# Altium PCB IntelligentCarFor51PcbDoc.PcbDoc (part 3 of 14) (continued)
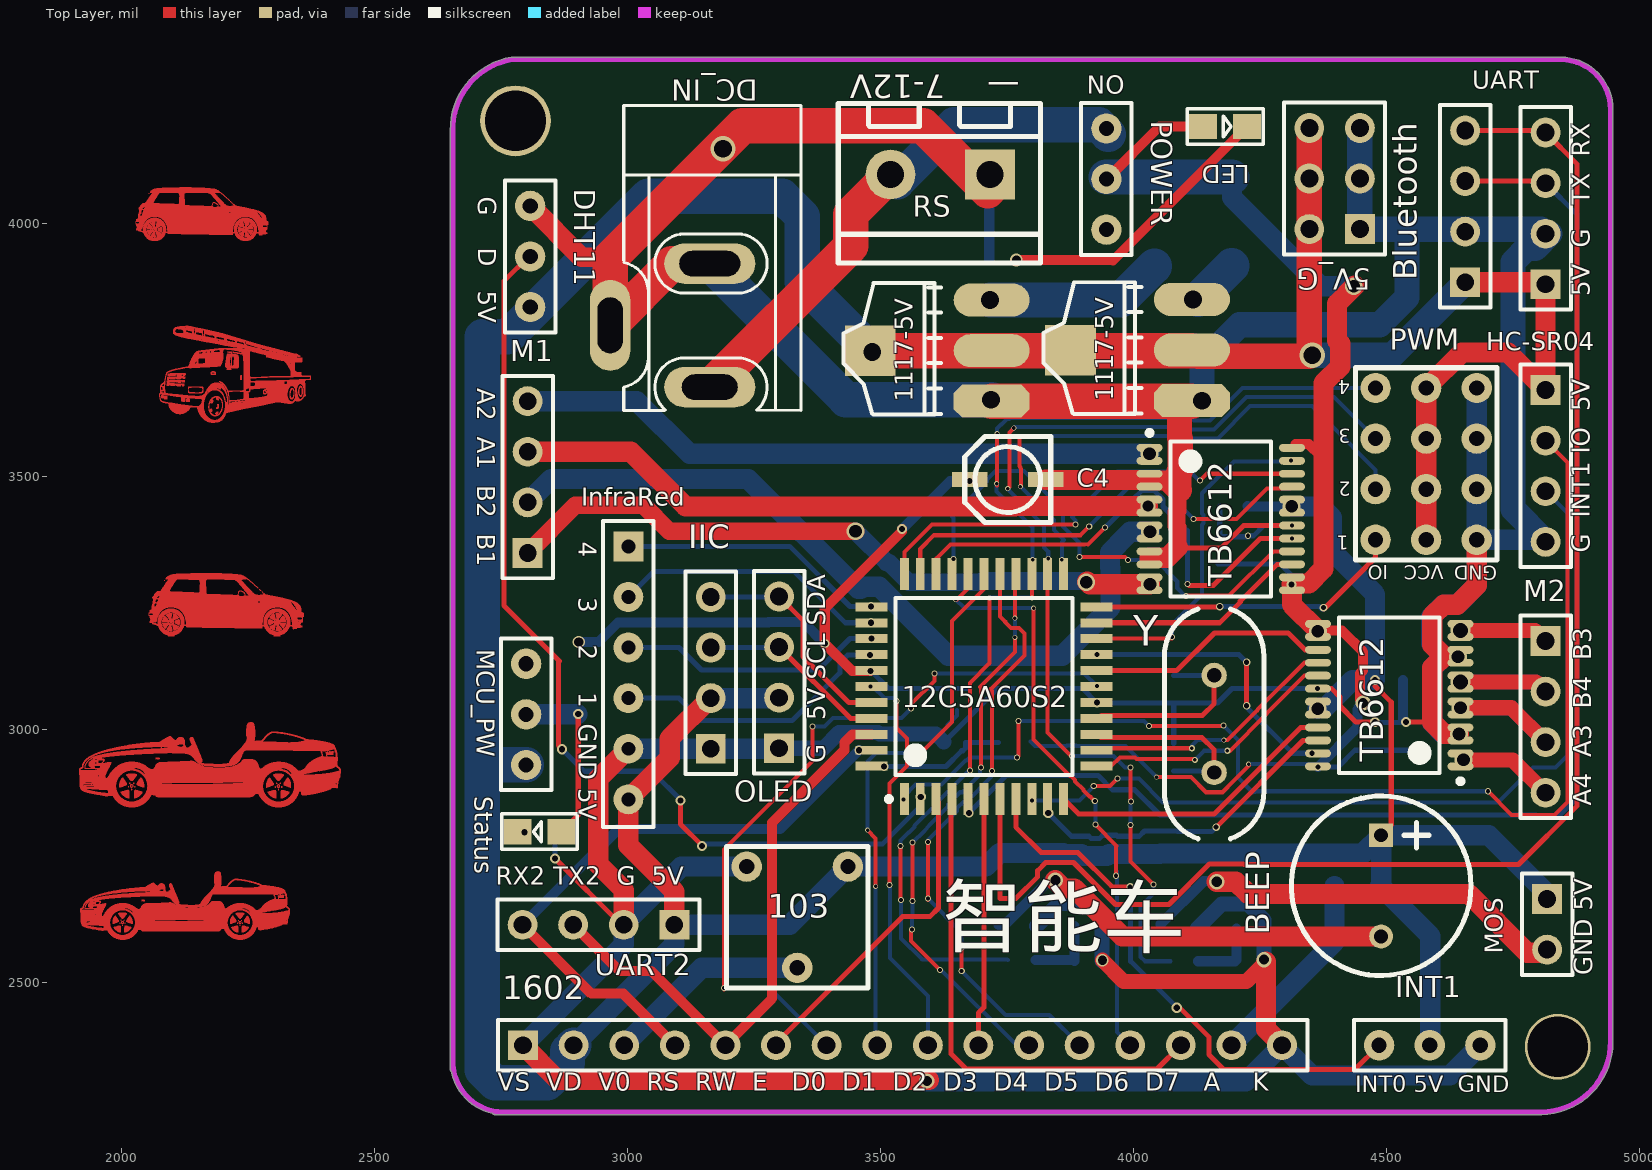
[diagram p0: Top Layer view]
## Nets (pads, with @x,y where several pads share a name; then routed paths per layer and width w, separated by ;. In a path a pad name is that pad's centre, name@x,y a point inside that pad or via, vN(x,y) a via of type N, cw(c..) or ccw(c..) an arc to the next point about the centre after c; other vN are vias at no path point) (continued)
; 2093.3,3703.6 2126.9,3703.6 ; 2093.5,3991.3 2097.1,3991.3 ; 2093.5,3991.6 2097.1,3991.6 ; 2093.5,3991.9 2220.7,3991.9 ; 2093.5,4004.5 2217.7,4004.5 ; 2093.6,3642.4 2119.1,3642.4 ; 2093.6,3642.7 2117,3642.7 ; 2093.6,3643 2115.2,3643 ; 2093.6,3643.3 2113.1,3643.3 ; 2093.6,3643.6 2111.3,3643.6 ; 2093.6,3643.9 2109.5,3643.9 ; 2093.6,3644.2 2107.7,3644.2 ; 2093.6,3644.5 2105.9,3644.5 ; 2093.6,3708.4 2096.3,3708.4 ; 2093.8,4003.6 2224.6,4003.6 ; 2093.8,4003.9 2222.2,4003.9 ; 2093.8,4004.2 2225.2,4004.2 ; 2093.9,3640.3 2134.7,3640.3 ; 2093.9,3640.6 2132,3640.6 ; 2093.9,3640.9 2129.6,3640.9 ; 2093.9,3641.2 2127.2,3641.2 ; 2093.9,3641.5 2124.8,3641.5 ; 2093.9,3641.8 2123,3641.8 ; 2093.9,3642.1 2120.9,3642.1 ; 2094.1,4003 2224.3,4003 ; 2094.1,4003.3 2217.1,4003.3 ; 2094.2,3639.4 2144.6,3639.4 ; 2094.2,3639.7 2140.4,3639.7 ; 2094.2,3640 2137.4,3640 ; 2094.2,3661.3 2121.2,3661.3 ; 2094.2,3708.7 2097.2,3708.7 ; 2094.4,4002.1 2221.3,4002.1 ; 2094.4,4002.4 2221.3,4002.4 ; 2094.4,4002.7 2221.6,4002.7 ; 2094.5,3638.5 2162.6,3638.5 ; 2094.5,3638.8 2162.6,3638.8 ; 2094.5,3639.1 2162.6,3639.1 ; 2094.7,4001.5 2221,4001.5 ; 2094.7,4001.8 2223.7,4001.8 ; 2094.8,3637.9 2137.1,3637.9 ; 2094.8,3638.2 2162.6,3638.2 ; 2094.8,3709 2098.1,3709 ; 2095,4000.6 2223.4,4000.6 ; 2095,4000.9 2223.4,4000.9 ; 2095,4001.2 2223.4,4001.2 ; 2095.1,3637 2136.2,3637 ; 2095.1,3637.3 2136.2,3637.3 ; 2095.1,3637.6 2136.5,3637.6 ; 2095.3,3999.7 2222.8,3999.7 ; 2095.3,4000 2220.4,4000 ; 2095.3,4000.3 2220.4,4000.3 ; 2095.4,3636.4 2135.6,3636.4 ; 2095.4,3636.7 2135.9,3636.7 ; 2095.4,3697 2119.7,3697 ; 2095.4,3709.3 2099,3709.3 ; 2095.6,3998.8 2222.5,3998.8 ; 2095.6,3999.1 2222.8,3999.1 ; 2095.6,3999.4 2222.8,3999.4 ; 2095.6,4061.5 2122.9,4061.5 ; 2095.7,3636.1 2135.6,3636.1 ; 2095.9,3980.8 2220.1,3980.8 ; 2095.9,3997.9 2222.2,3997.9 ; 2095.9,3998.2 2222.5,3998.2 ; 2095.9,3998.5 2222.5,3998.5 ; 2096,3635.5 2135.3,3635.5 ; 2096,3635.8 2135.3,3635.8 ; 2096.2,3997 2221.9,3997 ; 2096.2,3997.3 2222.2,3997.3 ; 2096.2,3997.6 2222.2,3997.6 ; 2096.3,3635.2 2135,3635.2 ; 2096.3,3709.6 2099.9,3709.6 ; 2096.5,3995.5 2221.6,3995.5 ; 2096.5,3995.8 2221.6,3995.8 ; 2096.5,3996.1 2221.6,3996.1 ; 2096.5,3996.4 2221.9,3996.4 ; 2096.5,3996.7 2221.9,3996.7 ; 2096.5,4036.6 2096.8,4036.6 ; 2096.6,3634.6 2134.7,3634.6 ; 2096.6,3634.9 2134.7,3634.9 ; 2096.6,3661 2124.5,3661 ; 2096.6,3689.5 2106.8,3689.5 ; 2096.6,3694.3 2106.5,3694.3 ; 2096.6,3694.6 2106.8,3694.6 ; 2096.6,3694.9 2106.8,3694.9 ; 2096.6,3695.2 2106.8,3695.2 ; 2096.6,3695.5 2107.1,3695.5 ; 2096.6,3695.8 2107.1,3695.8 ; 2096.6,3703.9 2126.3,3703.9 ; 2096.8,3994 2221.3,3994 ; 2096.8,3994.3 2221.3,3994.3 ; 2096.8,3994.6 2221.3,3994.6 ; 2096.8,3994.9 2221.3,3994.9 ; 2096.8,3995.2 2221.6,3995.2 ; 2096.8,4037.5 2124.1,4037.5 ; 2096.9,3634.3 2134.4,3634.3 ; 2096.9,3681.1 2105.6,3681.1 ; 2096.9,3681.4 2105.6,3681.4 ; 2096.9,3681.7 2105.9,3681.7 ; 2096.9,3682 2105.9,3682 ; 2096.9,3682.3 2105.9,3682.3 ; 2096.9,3682.9 2124.2,3682.9 ; 2096.9,3687.7 2106.2,3687.7 ; 2096.9,3688 2106.5,3688 ; 2096.9,3688.3 2106.5,3688.3 ; 2096.9,3688.6 2106.5,3688.6 ; 2096.9,3688.9 2106.5,3688.9 ; 2096.9,3689.2 2106.8,3689.2 ; 2096.9,3693.7 2106.2,3693.7 ; 2096.9,3694 2106.5,3694 ; 2096.9,3700.3 2105.3,3700.3 ; 2096.9,3700.6 2106.5,3700.6 ; 2096.9,3700.9 2107.1,3700.9 ; 2096.9,3701.2 2107.1,3701.2 ; 2097.1,3992.5 2221,3992.5 ; 2097.1,3992.8 2221,3992.8 ; 2097.1,3993.1 2221,3993.1 ; 2097.1,3993.4 2221,3993.4 ; 2097.1,3993.7 2221,3993.7 ; 2097.2,3633.7 2133.8,3633.7 ; 2097.2,3634 2134.1,3634 ; 2097.2,3680.5 2105.3,3680.5 ; 2097.2,3680.8 2105.3,3680.8 ; 2097.2,3682.6 2106.2,3682.6 ; 2097.2,3687.4 2106.2,3687.4 ; 2097.2,3693.4 2105.6,3693.4 ; 2097.2,3701.5 2107.4,3701.5 ; 2097.2,3701.8 2107.4,3701.8 ; 2097.2,3702.1 2107.4,3702.1 ; 2097.2,3702.4 2107.4,3702.4 ; 2097.2,3702.7 2107.4,3702.7 ; 2097.2,3709.9 2100.8,3709.9 ; 2097.4,3991.3 2220.7,3991.3 ; 2097.4,3991.6 2220.7,3991.6 ; 2097.4,3992.2 2221,3992.2 ; 2097.4,4036.6 2115.4,4036.6 ; 2097.5,3633.4 2133.8,3633.4 ; 2097.5,3700 2102,3700 ; 2097.8,3633.1 2133.5,3633.1 ; 2097.8,3680.2 2104.7,3680.2 ; 2097.8,3693.1 2105,3693.1 ; 2098.1,3632.8 2133.2,3632.8 ; 2098.1,3687.1 2105.3,3687.1 ; 2098.1,3690.7 2124.5,3690.7 ; 2098.1,3710.2 2102,3710.2 ; 2098.4,3632.5 2132.9,3632.5 ; 2098.4,3697.3 2126.3,3697.3 ; 2098.7,3632.2 2132.6,3632.2 ; 2098.7,3660.7 2127.5,3660.7 ; 2099,3631.9 2132.3,3631.9 ; 2099,3710.5 2102.9,3710.5 ; 2099.2,4071.1 2152,4071.1 ; 2099.3,3631.6 2132,3631.6 ; 2099.6,3631.3 2131.7,3631.3 ; 2099.9,3631 2131.4,3631 ; 2099.9,3710.8 2104.1,3710.8 ; 2100.2,3630.7 2130.8,3630.7 ; 2100.5,3630.4 2130.5,3630.4 ; 2100.5,3660.4 2131.1,3660.4 ; 2100.8,3630.1 2130.2,3630.1 ; 2100.8,3711.1 2105.3,3711.1 ; 2101.4,3629.8 2129.9,3629.8 ; 2101.7,3629.5 2129.6,3629.5 ; 2102,3629.2 2129,3629.2 ; 2102,3711.4 2106.5,3711.4 ; 2102.3,3628.9 2128.7,3628.9 ; 2102.3,3660.1 2135,3660.1 ; 2102.3,3784.6 2107.4,3784.6 ; 2102.3,3784.9 2107.1,3784.9 ; 2102.3,3785.2 2106.8,3785.2 ; 2102.3,3785.5 2106.5,3785.5 ; 2102.3,3785.8 2106.2,3785.8 ; 2102.3,3786.1 2106.2,3786.1 ; 2102.3,3786.4 2105.9,3786.4 ; 2102.3,3786.7 2105.9,3786.7 ; 2102.3,3787 2105.9,3787 ; 2102.3,3787.3 2105.9,3787.3 ; 2102.3,3787.6 2105.9,3787.6 ; 2102.3,3787.9 2105.9,3787.9 ; 2102.6,3784 2108.3,3784 ; 2102.6,3784.3 2108,3784.3 ; 2102.6,3788.2 2105.9,3788.2 ; 2102.6,3788.5 2104.1,3788.5 ; 2102.6,3788.8 2104.1,3788.8 ; 2102.6,3789.1 2104.1,3789.1 ; 2102.9,3628.6 2128.1,3628.6 ; 2102.9,3783.4 2110.1,3783.4 ; 2102.9,3783.7 2109.2,3783.7 ; 2102.9,3789.4 2104.1,3789.4 ; 2102.9,3789.7 2104.4,3789.7 ; 2102.9,3790 2104.4,3790 ; 2103.2,3628.3 2127.8,3628.3 ; 2103.2,3711.7 2108,3711.7 ; 2103.2,3790.3 2104.7,3790.3 ; 2103.2,3790.6 2104.7,3790.6 ; 2103.2,3790.9 2105,3790.9 ; 2103.5,3697.6 2126.3,3697.6 ; 2103.5,3704.2 2124.5,3704.2 ; 2103.5,3782.8 2138.3,3782.8 ; 2103.5,3783.1 2111.9,3783.1 ; 2103.5,3791.2 2105.3,3791.2 ; 2103.5,3791.5 2105.3,3791.5 ; 2103.8,3628 2127.2,3628 ; 2103.8,3791.8 2105.6,3791.8 ; 2104,4039 2104.3,4039 ; 2104.1,3782.5 2143.4,3782.5 ; 2104.1,3792.1 2105.9,3792.1 ; 2104.4,3627.7 2126.9,3627.7 ; 2104.4,3659.8 2138.9,3659.8 ; 2104.4,3712 2109.2,3712 ; 2104.4,3782.2 2143.7,3782.2 ; 2104.4,3792.4 2106.2,3792.4 ; 2104.7,3627.4 2126.3,3627.4 ; 2104.7,3781.9 2143.7,3781.9 ; 2104.7,3788.5 2105.9,3788.5 ; 2104.7,3788.8 2105.9,3788.8 ; 2104.7,3792.7 2106.5,3792.7 ; 2104.7,3793 2106.8,3793 ; 2105,3789.1 2105.9,3789.1 ; 2105,3789.4 2106.2,3789.4 ; 2105,3793.3 2107.1,3793.3 ; 2105.2,4036.3 2124.7,4036.3 ; 2105.3,3627.1 2125.7,3627.1 ; 2105.3,3781.6 2147.3,3781.6 ; 2105.3,3789.7 2106.2,3789.7 ; 2105.3,3790 2106.5,3790 ; 2105.3,3790.3 2106.8,3790.3 ; 2105.3,3793.6 2124.5,3793.6 ; 2105.5,3980.5 2220.1,3980.5 ; 2105.6,3712.3 2110.7,3712.3 ; 2105.6,3790.6 2106.8,3790.6 ; 2105.6,3793.9 2124.8,3793.9 ; 2105.9,3626.8 2125.1,3626.8 ; 2105.9,3781.3 2130.2,3781.3 ; 2105.9,3790.9 2107.1,3790.9 ; 2105.9,3794.2 2124.8,3794.2 ; 2106.2,3659.5 2144.6,3659.5 ; 2106.2,3781 2129.6,3781 ; 2106.2,3791.2 2107.4,3791.2 ; 2106.2,3794.5 2125.1,3794.5 ; 2106.4,4037.2 2125.6,4037.2 ; 2106.5,3626.5 2124.5,3626.5 ; 2106.5,3791.5 2107.7,3791.5 ; 2106.5,3791.8 2108,3791.8 ; 2106.8,3712.6 2111.9,3712.6 ; 2106.8,3780.7 2129.6,3780.7 ; 2106.8,3792.1 2108.3,3792.1 ; 2106.8,3794.8 2125.1,3794.8 ; 2107.1,3682.6 2118.8,3682.6 ; 2107.1,3689.5 2118.8,3689.5 ; 2107.1,3792.4 2108.6,3792.4 ; 2107.4,3626.2 2123.9,3626.2 ; 2107.4,3682 2118.2,3682 ; 2107.4,3682.3 2118.5,3682.3 ; 2107.4,3689.2 2118.5,3689.2 ; 2107.4,3780.4 2130.5,3780.4 ; 2107.4,3792.7 2124.2,3792.7 ; 2107.4,3793 2124.5,3793 ; 2107.7,3680.8 2117.6,3680.8 ; 2107.7,3681.1 2117.6,3681.1 ; 2107.7,3681.4 2117.9,3681.4 ; 2107.7,3681.7 2117.9,3681.7 ; 2107.7,3688.6 2118.2,3688.6 ; 2107.7,3688.9 2118.5,3688.9 ; 2107.7,3793.3 2124.5,3793.3 ; 2107.7,3795.1 2125.4,3795.1 ; 2108,3625.9 2123.3,3625.9 ; 2108,3680.5 2117.3,3680.5 ; 2108,3687.7 2118.2,3687.7 ; 2108,3688 2118.2,3688 ; 2108,3688.3 2118.2,3688.3 ; 2108.3,3659.2 2166.5,3659.2 ; 2108.3,3687.4 2117.9,3687.4 ; 2108.3,3696.1 2118.8,3696.1 ; 2108.3,3696.4 2118.8,3696.4 ; 2108.3,3712.9 2113.4,3712.9 ; 2108.3,3780.1 2131.4,3780.1 ; 2108.5,4063.3 2187.1,4063.3 ; 2108.6,3680.2 2117.3,3680.2 ; 2108.6,3687.1 2117.9,3687.1 ; 2108.6,3694.9 2117.9,3694.9 ; 2108.6,3695.2 2118.2,3695.2 ; 2108.6,3695.5 2118.2,3695.5 ; 2108.6,3695.8 2118.5,3695.8 ; 2108.6,3703.3 2126.9,3703.3 ; 2108.9,3625.6 2122.4,3625.6 ; 2108.9,3694.3 2117.6,3694.3 ; 2108.9,3694.6 2117.9,3694.6 ; 2108.9,3779.8 2132.6,3779.8 ; 2108.9,3795.4 2125.4,3795.4 ; 2109.2,3694 2117.3,3694 ; 2109.2,3701.2 2119.1,3701.2 ; 2109.2,3701.5 2119.1,3701.5 ; 2109.2,3701.8 2119.4,3701.8 ; 2109.2,3702.1 2119.4,3702.1 ; 2109.2,3703 2119.7,3703 ; 2109.5,3700.6 2118.2,3700.6 ; 2109.5,3700.9 2118.8,3700.9 ; 2109.5,3702.4 2119.4,3702.4 ; 2109.5,3702.7 2119.4,3702.7 ; 2109.7,3991 2220.7,3991 ; 2109.8,3625.3 2121.5,3625.3 ; 2109.8,3693.7 2112.8,3693.7 ; 2109.8,3713.2 2115.2,3713.2 ; 2109.8,3779.5 2120.9,3779.5 ; 2110.1,3679.9 2117,3679.9 ; 2110.1,3700.3 2115.2,3700.3 ; 2110.4,3697.9 2123.6,3697.9 ; 2110.4,3779.2 2120.9,3779.2 ; 2110.4,3795.7 2125.4,3795.7 ; 2110.7,3625 2120.6,3625 ; 2110.7,3658.9 2166.5,3658.9 ; 2111.3,3713.5 2116.4,3713.5 ; 2111.3,3778.9 2121.5,3778.9 ; 2111.9,3624.7 2119.4,3624.7 ; 2111.9,3796 2125.7,3796 ; 2112.2,3778.6 2122.1,3778.6 ; 2112.2,3792.4 2124.2,3792.4 ; 2112.4,4061.2 2122.9,4061.2 ; 2112.5,3686.8 2117,3686.8 ; 2112.8,3713.8 2118.2,3713.8 ; 2113.1,3658.6 2166.2,3658.6 ; 2113.1,3778.3 2123.3,3778.3 ; 2113.3,4036 2133.7,4036 ; 2113.3,4039 2123.8,4039 ; 2113.3,4060.9 2122.9,4060.9 ; 2113.4,3693.7 2116.4,3693.7 ; 2113.7,3796.3 2125.7,3796.3 ; 2113.9,4039.3 2123.8,4039.3 ; 2113.9,4060.6 2122.9,4060.6 ; 2114,3624.4 2117.6,3624.4 ; 2114.2,4039.6 2123.8,4039.6 ; 2114.2,4060 2122.9,4060 ; 2114.2,4060.3 2122.9,4060.3 ; 2114.3,3714.1 2119.4,3714.1 ; 2114.3,3778 2125.1,3778 ; 2114.5,4039.9 2123.8,4039.9 ; 2114.5,4040.2 2123.8,4040.2 ; 2114.5,4059.7 2122.9,4059.7 ; 2114.6,3792.1 2124.2,3792.1 ; 2114.8,4040.5 2123.8,4040.5 ; 2114.8,4040.8 2123.8,4040.8 ; 2114.8,4041.1 2123.8,4041.1 ; 2114.8,4041.4 2123.8,4041.4 ; 2114.8,4042.3 2123.8,4042.3 ; 2114.8,4042.6 2123.8,4042.6 ; 2114.8,4042.9 2123.8,4042.9 ; 2114.8,4043.2 2123.8,4043.2 ; 2114.8,4043.5 2123.8,4043.5 ; 2114.8,4043.8 2123.8,4043.8 ; 2114.8,4044.1 2123.8,4044.1 ; 2114.8,4044.4 2123.8,4044.4 ; 2114.8,4044.7 2123.8,4044.7 ; 2114.8,4045 2125,4045 ; 2114.8,4045.3 2125,4045.3 ; 2114.8,4045.6 2123.5,4045.6 ; 2114.8,4045.9 2123.5,4045.9 ; 2114.8,4046.2 2123.5,4046.2 ; 2114.8,4046.5 2123.5,4046.5 ; 2114.8,4046.8 2123.5,4046.8 ; 2114.8,4047.1 2123.5,4047.1 ; 2114.8,4047.4 2123.5,4047.4 ; 2114.8,4047.7 2123.5,4047.7 ; 2114.8,4048 2123.5,4048 ; 2114.8,4048.3 2123.5,4048.3 ; 2114.8,4048.6 2123.5,4048.6 ; 2114.8,4048.9 2123.5,4048.9 ; 2114.8,4049.2 2123.5,4049.2 ; 2114.8,4049.5 2123.5,4049.5 ; 2114.8,4049.8 2123.5,4049.8 ; 2114.8,4050.1 2123.5,4050.1 ; 2114.8,4050.4 2123.5,4050.4 ; 2114.8,4050.7 2123.5,4050.7 ; 2114.8,4051 2123.5,4051 ; 2114.8,4051.3 2123.5,4051.3 ; 2114.8,4051.6 2123.5,4051.6 ; 2114.8,4051.9 2124.7,4051.9 ; 2114.8,4057 2123.2,4057 ; 2114.8,4057.3 2123.2,4057.3 ; 2114.8,4058.2 2123.2,4058.2 ; 2114.8,4058.5 2123.2,4058.5 ; 2114.8,4058.8 2123.2,4058.8 ; 2114.8,4059.1 2122.9,4059.1 ; 2114.8,4059.4 2122.9,4059.4 ; 2115.1,4036.9 2124.1,4036.9 ; 2115.1,4041.7 2123.8,4041.7 ; 2115.1,4042 2123.8,4042 ; 2115.1,4052.2 2124.7,4052.2 ; 2115.1,4052.5 2123.2,4052.5 ; 2115.1,4052.8 2123.2,4052.8 ; 2115.1,4053.1 2123.2,4053.1 ; 2115.1,4053.4 2123.2,4053.4 ; 2115.1,4053.7 2123.2,4053.7 ; 2115.1,4054 2123.2,4054 ; 2115.1,4054.3 2123.2,4054.3 ; 2115.1,4054.6 2123.2,4054.6 ; 2115.1,4054.9 2123.2,4054.9 ; 2115.1,4055.2 2123.2,4055.2 ; 2115.1,4055.5 2123.2,4055.5 ; 2115.1,4055.8 2123.2,4055.8 ; 2115.1,4056.1 2123.2,4056.1 ; 2115.1,4056.4 2123.2,4056.4 ; 2115.1,4056.7 2123.2,4056.7 ; 2115.1,4057.6 2123.2,4057.6 ; 2115.1,4057.9 2123.2,4057.9 ; 2115.2,3658.3 2166.2,3658.3 ; 2115.4,4071.4 2116,4071.4 ; 2115.5,3777.7 2143.1,3777.7 ; 2115.5,3796.6 2125.4,3796.6 ; 2115.8,3714.4 2120.9,3714.4 ; 2115.8,3783.1 2136.8,3783.1 ; 2116.6,4071.4 2136.7,4071.4 ; 2116.7,3777.4 2144,3777.4 ; 2117,3791.8 2123.9,3791.8 ; 2117.3,3658 2165.9,3658 ; 2117.3,3714.7 2122.4,3714.7 ; 2117.6,3777.1 2145.2,3777.1 ; 2117.6,3796.9 2125.4,3796.9 ; 2118.2,3652.3 2126.3,3652.3 ; 2118.2,3652.6 2126.3,3652.6 ; 2118.2,3652.9 2126.3,3652.9 ; 2118.2,3653.2 2126,3653.2 ; 2118.2,3653.5 2126,3653.5 ; 2118.2,3653.8 2126,3653.8 ; 2118.2,3654.1 2126,3654.1 ; 2118.2,3654.4 2126,3654.4 ; 2118.2,3654.7 2125.7,3654.7 ; 2118.2,3655 2125.4,3655 ; 2118.2,3655.3 2124.8,3655.3 ; 2118.5,3650.2 2126,3650.2 ; 2118.5,3650.5 2126,3650.5 ; 2118.5,3650.8 2126,3650.8 ; 2118.5,3651.1 2126,3651.1 ; 2118.5,3651.4 2126.3,3651.4 ; 2118.5,3651.7 2126.3,3651.7 ; 2118.5,3652 2126.3,3652 ; 2118.5,3655.6 2123,3655.6 ; 2118.5,3655.9 2121.2,3655.9 ; 2118.5,3715 2123.6,3715 ; 2118.7,3980.2 2220.1,3980.2 ; 2118.8,3649.9 2126,3649.9 ; 2118.8,3776.8 2146.7,3776.8 ; 2119.1,3657.7 2165.9,3657.7 ; 2119.1,3791.5 2123.9,3791.5 ; 2119.4,3682.6 2124.2,3682.6 ; 2119.6,4030.9 2204.8,4030.9 ; 2119.7,3649.6 2125.7,3649.6 ; 2119.7,3682 2124.2,3682 ; 2119.7,3682.3 2124.2,3682.3 ; 2119.7,3689.5 2125.1,3689.5 ; 2119.7,3797.2 2125.4,3797.2 ; 2119.9,4031.5 2183.8,4031.5 ; 2120,3680.5 2123.9,3680.5 ; 2120,3680.8 2123.9,3680.8 ; 2120,3681.1 2124.2,3681.1 ; 2120,3681.4 2124.2,3681.4 ; 2120,3681.7 2124.2,3681.7 ; 2120,3687.7 2125.1,3687.7 ; 2120,3688 2125.1,3688 ; 2120,3688.3 2125.1,3688.3 ; 2120,3688.6 2125.1,3688.6 ; 2120,3688.9 2125.1,3688.9 ; 2120,3689.2 2125.1,3689.2 ; 2120,3697 2126.6,3697 ; 2120,3715.3 2124.8,3715.3 ; 2120,3776.5 2132.9,3776.5 ; 2120.2,4032.1 2184.1,4032.1 ; 2120.3,3680.2 2123.6,3680.2 ; 2120.3,3687.4 2124.8,3687.4 ; 2120.3,3783.4 2135.6,3783.4 ; 2120.5,4032.4 2192.5,4032.4 ; 2120.6,3679.9 2123,3679.9 ; 2120.6,3687.1 2124.2,3687.1 ; 2120.6,3696.7 2126.6,3696.7 ; 2120.6,3791.2 2123.9,3791.2 ; 2120.9,3696.1 2126.3,3696.1 ; 2120.9,3696.4 2126.3,3696.4 ; 2120.9,3703 2126.9,3703 ; 2121.1,4033.3 2172.7,4033.3 ; 2121.2,3657.4 2165.6,3657.4 ; 2121.2,3694.6 2125.4,3694.6 ; 2121.2,3694.9 2125.4,3694.9 ; 2121.2,3695.2 2126,3695.2 ; 2121.2,3695.5 2126,3695.5 ; 2121.2,3695.8 2126.3,3695.8 ; 2121.2,3715.6 2126.3,3715.6 ; 2121.2,3776.2 2133.2,3776.2 ; 2121.2,3790.9 2123.6,3790.9 ; 2121.4,4033.6 2165.8,4033.6 ; 2121.4,4035.7 2141.5,4035.7 ; 2121.5,3649.3 2125.7,3649.3 ; 2121.5,3694.3 2124.8,3694.3 ; 2121.5,3702.4 2126.9,3702.4 ; 2121.5,3702.7 2126.9,3702.7 ; 2121.8,3694 2124.2,3694 ; 2121.8,3701.2 2126.6,3701.2 ; 2121.8,3701.5 2126.6,3701.5 ; 2121.8,3701.8 2126.9,3701.8 ; 2121.8,3702.1 2126.9,3702.1 ; 2121.8,3783.7 2134.7,3783.7 ; 2121.8,3790.6 2123.6,3790.6 ; 2122,4034.2 2151.7,4034.2 ; 2122.1,3700.9 2126.3,3700.9 ; 2122.1,3790.3 2123.6,3790.3 ; 2122.4,3700.6 2125.7,3700.6 ; 2122.4,3715.9 2128.4,3715.9 ; 2122.4,3775.9 2133.8,3775.9 ; 2122.4,3784 2133.8,3784 ; 2122.4,3789.7 2123.6,3789.7 ; 2122.4,3790 2123.6,3790 ; 2122.6,3990.7 2122.9,3990.7 ; 2122.6,4034.5 2144.2,4034.5 ; 2122.7,3700.3 2125.4,3700.3 ; 2122.7,3779.5 2135.6,3779.5 ; 2122.7,3784.3 2132.9,3784.3 ; 2122.7,3787.9 2126.9,3787.9 ; 2122.7,3788.2 2126.9,3788.2 ; 2122.7,3788.5 2126.6,3788.5 ; 2122.7,3788.8 2126.6,3788.8 ; 2122.7,3789.1 2126.6,3789.1 ; 2122.7,3789.4 2123.9,3789.4 ; 2122.7,3797.5 2134.1,3797.5 ; 2123,3784.6 2131.7,3784.6 ; 2123,3784.9 2130.8,3784.9 ; 2123,3785.2 2129.9,3785.2 ; 2123,3785.5 2129,3785.5 ; 2123,3785.8 2128.4,3785.8 ; 2123,3786.1 2128.1,3786.1 ; 2123,3786.4 2127.8,3786.4 ; 2123,3786.7 2127.5,3786.7 ; 2123,3787 2127.2,3787 ; 2123,3787.3 2127.2,3787.3 ; 2123,3787.6 2126.9,3787.6 ; 2123.2,4034.8 2137,4034.8 ; 2123.2,4035.4 2123.5,4035.4 ; 2123.2,4059.1 2124.4,4059.1 ; 2123.2,4059.4 2124.4,4059.4 ; 2123.2,4060 2124.7,4060 ; 2123.2,4060.3 2124.7,4060.3 ; 2123.2,4060.6 2125,4060.6 ; 2123.2,4060.9 2125.3,4060.9 ; 2123.2,4061.2 2125.9,4061.2 ; 2123.2,4061.5 2126.5,4061.5 ; 2123.2,4061.8 2175.7,4061.8 ; 2123.2,4062.1 2175.4,4062.1 ; 2123.3,3649 2125.4,3649 ; 2123.3,3657.1 2165.6,3657.1 ; 2123.5,4027 2125,4027 ; 2123.5,4027.3 2125.3,4027.3 ; 2123.5,4036.6 2123.8,4036.6 ; 2123.5,4052.5 2124.7,4052.5 ; 2123.5,4052.8 2124.7,4052.8 ; 2123.5,4053.1 2124.7,4053.1 ; 2123.5,4053.4 2124.7,4053.4 ; 2123.5,4053.7 2124.4,4053.7 ; 2123.5,4054 2124.4,4054 ; 2123.5,4054.3 2124.4,4054.3 ; 2123.5,4054.6 2124.4,4054.6 ; 2123.5,4054.9 2124.4,4054.9 ; 2123.5,4055.2 2124.4,4055.2 ; 2123.5,4055.5 2124.4,4055.5 ; 2123.5,4055.8 2124.4,4055.8 ; 2123.5,4056.1 2124.4,4056.1 ; 2123.5,4056.4 2124.4,4056.4 ; 2123.5,4056.7 2124.4,4056.7 ; 2123.5,4057 2124.4,4057 ; 2123.5,4057.3 2124.4,4057.3 ; 2123.5,4057.6 2124.4,4057.6 ; 2123.5,4057.9 2124.4,4057.9 ; 2123.5,4058.2 2124.4,4058.2 ; 2123.5,4058.5 2124.4,4058.5 ; 2123.5,4058.8 2124.4,4058.8 ; 2123.5,4059.7 2124.4,4059.7 ; 2123.6,3775.6 2134.7,3775.6 ; 2123.8,4026.7 2125,4026.7 ; 2123.8,4027.6 2125,4027.6 ; 2123.8,4045.6 2125,4045.6 ; 2123.8,4045.9 2125,4045.9 ; 2123.8,4046.2 2125,4046.2 ; 2123.8,4046.5 2125,4046.5 ; 2123.8,4046.8 2125,4046.8 ; 2123.8,4047.1 2125,4047.1 ; 2123.8,4047.4 2125,4047.4 ; 2123.8,4047.7 2125,4047.7 ; 2123.8,4048 2125,4048 ; 2123.8,4048.3 2125,4048.3 ; 2123.8,4048.6 2124.7,4048.6 ; 2123.8,4048.9 2124.7,4048.9 ; 2123.8,4049.2 2124.7,4049.2 ; 2123.8,4049.5 2124.7,4049.5 ; 2123.8,4049.8 2124.7,4049.8 ; 2123.8,4050.1 2124.7,4050.1 ; 2123.8,4050.4 2124.7,4050.4 ; 2123.8,4050.7 2124.7,4050.7 ; 2123.8,4051 2124.7,4051 ; 2123.8,4051.3 2124.7,4051.3 ; 2123.8,4051.6 2124.7,4051.6 ; 2123.9,3716.2 2150.6,3716.2 ; 2123.9,3779.2 2155.1,3779.2 ; 2124.1,4027.9 2124.7,4027.9 ; 2124.1,4039 2125.6,4039 ; 2124.1,4039.3 2125.3,4039.3 ; 2124.1,4039.6 2125.3,4039.6 ; 2124.1,4039.9 2125.3,4039.9 ; 2124.1,4040.2 2125.3,4040.2 ; 2124.1,4040.5 2125.3,4040.5 ; 2124.1,4040.8 2125.3,4040.8 ; 2124.1,4041.1 2125.3,4041.1 ; 2124.1,4041.4 2125.3,4041.4 ; 2124.1,4041.7 2125.3,4041.7 ; 2124.1,4042 2125.3,4042 ; 2124.1,4042.3 2125.3,4042.3 ; 2124.1,4042.6 2125.3,4042.6 ; 2124.1,4042.9 2125.3,4042.9 ; 2124.1,4043.2 2125.3,4043.2 ; 2124.1,4043.5 2125.3,4043.5 ; 2124.1,4043.8 2125.3,4043.8 ; 2124.1,4044.1 2125,4044.1 ; 2124.1,4044.4 2125,4044.4 ; 2124.1,4044.7 2125,4044.7 ; 2124.4,4026.1 2125.9,4026.1 ; 2124.4,4036.6 2125.6,4036.6 ; 2124.4,4036.9 2125.6,4036.9 ; 2124.4,4037.5 2125.6,4037.5 ; 2124.4,4037.8 2125.6,4037.8 ; 2124.4,4038.1 2125.6,4038.1 ; 2124.5,3775.3 2135.9,3775.3 ; 2124.8,3778.9 2156.9,3778.9 ; 2124.8,3789.4 2126.6,3789.4 ; 2125.1,3789.7 2126.6,3789.7 ; 2125.1,3790 2143.1,3790 ; 2125.1,3790.3 2143.1,3790.3 ; 2125.4,3656.8 2165.6,3656.8 ; 2125.4,3790.6 2143.1,3790.6 ; 2125.4,3790.9 2143.1,3790.9 ; 2125.4,3791.2 2143.1,3791.2 ; 2125.4,3791.5 2143.1,3791.5 ; 2125.4,3791.8 2143.1,3791.8 ; 2125.6,4036.3 2125.9,4036.3 ; 2125.7,3716.5 2155.4,3716.5 ; 2125.7,3778.6 2143.1,3778.6 ; 2125.7,3792.1 2143.1,3792.1 ; 2125.7,3792.4 2143.1,3792.4 ; 2125.7,3792.7 2143.1,3792.7 ; 2126,3775 2137.4,3775 ; 2126,3778 2142.2,3778 ; 2126,3793 2143.1,3793 ; 2126,3793.3 2143.1,3793.3 ; 2126.2,4026.1 2262.7,4026.1 ; 2126.2,4028.5 2249.2,4028.5 ; 2126.3,3778.3 2142.5,3778.3 ; 2126.3,3793.6 2143.1,3793.6 ; 2126.3,3793.9 2143.1,3793.9 ; 2126.5,4025.5 2226.7,4025.5 ; 2126.5,4029.1 2134,4029.1 ; 2126.6,3794.2 2149.1,3794.2 ; 2126.8,4025.2 2134,4025.2 ; 2126.8,4029.4 2133.7,4029.4 ; 2126.9,3794.5 2147.6,3794.5 ; 2126.9,3794.8 2146.1,3794.8 ; 2127.1,4024.9 2133.4,4024.9 ; 2127.2,3716.8 2160.8,3716.8 ; 2127.2,3774.7 2139.2,3774.7 ; 2127.2,3795.1 2144.9,3795.1 ; 2127.2,3797.8 2132.3,3797.8 ; 2127.4,4029.7 2133.4,4029.7 ; 2127.5,3656.5 2165.3,3656.5 ; 2127.5,3795.4 2143.4,3795.4 ; 2127.5,3795.7 2142.5,3795.7 ; 2127.7,4024.6 2133.1,4024.6 ; 2127.7,4030 2132.8,4030 ; 2127.8,3796 2141,3796 ; 2127.8,3797.2 2135.6,3797.2 ; 2128,3990.7 2220.7,3990.7 ; 2128.1,3651.1 2134.7,3651.1 ; 2128.1,3651.4 2134.7,3651.4 ; 2128.1,3651.7 2134.7,3651.7 ; 2128.1,3652 2134.7,3652 ; 2128.1,3652.3 2134.7,3652.3 ; 2128.1,3652.6 2134.7,3652.6 ; 2128.1,3652.9 2134.7,3652.9 ; 2128.1,3653.2 2134.7,3653.2 ; 2128.1,3653.5 2134.4,3653.5 ; 2128.1,3653.8 2133.5,3653.8 ; 2128.1,3654.1 2130.8,3654.1 ; 2128.1,3796.3 2139.8,3796.3 ; 2128.1,3796.6 2138.6,3796.6 ; 2128.3,4024.3 2132.5,4024.3 ; 2128.4,3649.3 2134.7,3649.3 ; 2128.4,3649.6 2134.7,3649.6 ; 2128.4,3649.9 2134.7,3649.9 ; 2128.4,3650.2 2134.7,3650.2 ; 2128.4,3650.5 2134.7,3650.5 ; 2128.4,3650.8 2134.7,3650.8 ; 2128.4,3774.4 2141.3,3774.4 ; 2128.4,3796.9 2137.4,3796.9 ; 2129,3649 2134.7,3649 ; 2129.2,4024 2131.6,4024 ; 2129.3,3717.1 2167.4,3717.1 ; 2129.5,4028.2 2207.2,4028.2 ; 2129.5,4035.4 2149,4035.4 ; 2129.6,3789.7 2143.1,3789.7 ; 2129.9,3774.1 2144.6,3774.1 ; 2130.2,3656.2 2165.3,3656.2 ; 2130.8,3648.7 2134.4,3648.7 ; 2130.8,3717.4 2174.6,3717.4 ; 2131.1,3773.8 2160.2,3773.8 ; 2131.7,3668.2 2133.2,3668.2 ; 2131.7,3668.5 2132.9,3668.5 ; 2131.7,3668.8 2132.9,3668.8 ; 2131.7,3669.1 2132.9,3669.1 ; 2131.7,3669.4 2132.9,3669.4 ; 2131.7,3669.7 2132.9,3669.7 ; 2131.7,3670 2132.6,3670 ; 2131.7,3670.3 2132.6,3670.3 ; 2131.7,3670.6 2132.6,3670.6 ; 2131.7,3670.9 2132.6,3670.9 ; 2131.7,3671.2 2132.6,3671.2 ; 2131.7,3671.5 2132.6,3671.5 ; 2131.7,3671.8 2132.6,3671.8 ; 2131.7,3672.1 2132.6,3672.1 ; 2131.7,3672.4 2132.6,3672.4 ; 2131.7,3672.7 2132.6,3672.7 ; 2131.7,3673 2132.6,3673 ; 2131.7,3673.3 2132.6,3673.3 ; 2131.7,3673.6 2132.6,3673.6 ; 2131.7,3673.9 2132.6,3673.9 ; 2131.7,3674.2 2132.6,3674.2 ; 2131.7,3674.5 2132.6,3674.5 ; 2131.7,3674.8 2132.9,3674.8 ; 2131.7,3675.1 2132.9,3675.1 ; 2131.7,3675.4 2132.9,3675.4 ; 2131.7,3675.7 2132.9,3675.7 ; 2131.7,3676 2133.2,3676 ; 2131.7,3715.9 2147,3715.9 ; 2131.7,3717.7 2180.9,3717.7 ; 2131.7,3789.4 2143.1,3789.4 ; 2131.9,4024 2212.6,4024 ; 2132,3667.3 2134.1,3667.3 ; 2132,3667.6 2133.5,3667.6 ; 2132,3667.9 2133.2,3667.9 ; 2132,3676.3 2133.5,3676.3 ; 2132,3676.6 2134.7,3676.6 ; 2132.3,3667 2135.6,3667 ; 2132.3,3676.9 2138.3,3676.9 ; 2132.3,3718 2186,3718 ; 2132.3,3781.3 2147.3,3781.3 ; 2132.6,3666.7 2138.9,3666.7 ; 2132.6,3677.2 2161.1,3677.2 ; 2132.6,3718.3 2189.9,3718.3 ; 2132.8,4024.3 2212.9,4024.3 ; 2132.9,3677.5 2160.2,3677.5 ; 2132.9,3718.6 2192.9,3718.6 ; 2132.9,3773.5 2162.9,3773.5 ; 2133.1,4030 2183.8,4030 ; 2133.2,3666.4 2145.2,3666.4 ; 2133.2,3715.6 2143.7,3715.6 ; 2133.2,3718.9 2194.4,3718.9 ; 2133.2,3719.2 2195,3719.2 ; 2133.4,4024.6 2213.5,4024.6 ; 2133.5,3648.4 2133.8,3648.4 ; 2133.5,3655.9 2165.3,3655.9 ; 2133.5,3719.5 2195.6,3719.5 ; 2133.5,3719.8 2195.9,3719.8 ; 2133.7,4029.7 2183.8,4029.7 ; 2133.8,3720.1 2196.2,3720.1 ; 2133.8,3720.4 2196.2,3720.4 ; 2133.8,3720.7 2196.5,3720.7 ; 2133.8,3789.1 2143.1,3789.1 ; 2134,4024.9 2227.3,4024.9 ; 2134,4029.4 2184.1,4029.4 ; 2134.1,3666.1 2159,3666.1 ; 2134.1,3721 2196.5,3721 ; 2134.1,3721.3 2196.8,3721.3 ; 2134.1,3721.6 2196.8,3721.6 ; 2134.3,4025.2 2227,4025.2 ; 2134.3,4029.1 2184.4,4029.1 ; 2134.4,3721.9 2197.1,3721.9 ; 2134.4,3722.2 2197.1,3722.2 ; 2134.4,3773.2 2153.6,3773.2 ; 2134.4,3781 2147.9,3781 ; 2134.6,3979.9 2220.1,3979.9 ; 2134.6,4028.8 2185,4028.8 ; 2134.7,3722.5 2197.4,3722.5 ; 2134.7,3722.8 2144.9,3722.8 ; 2134.7,3723.1 2144.9,3723.1 ; 2135,3715.3 2138.3,3715.3 ; 2135,3723.4 2144.9,3723.4 ; 2135,3723.7 2144.9,3723.7 ; 2135,3724 2145.2,3724 ; 2135.3,3724.3 2145.2,3724.3 ; 2135.3,3724.6 2145.2,3724.6 ; 2135.6,3677.8 2158.1,3677.8 ; 2135.6,3724.9 2145.2,3724.9 ; 2135.6,3725.2 2145.5,3725.2 ; 2135.6,3725.5 2145.5,3725.5 ; 2135.6,3788.8 2143.1,3788.8 ; 2135.8,4063 2136.1,4063 ; 2135.9,3725.8 2145.5,3725.8 ; 2135.9,3726.1 2145.8,3726.1 ; 2135.9,3780.7 2148.2,3780.7 ; 2136.1,4027.9 2253.4,4027.9 ; 2136.2,3726.4 2145.8,3726.4 ; 2136.2,3726.7 2145.8,3726.7 ; 2136.2,3727 2146.1,3727 ; 2136.2,3779.5 2153.3,3779.5 ; 2136.5,3665.8 2157.5,3665.8 ; 2136.5,3727.3 2146.1,3727.3 ; 2136.5,3727.6 2146.4,3727.6 ; 2136.5,3772.9 2152.1,3772.9 ; 2136.7,4027.6 2207.5,4027.6 ; 2136.7,4035.1 2156.8,4035.1 ; 2136.7,4063 2182.6,4063 ; 2136.8,3727.9 2146.4,3727.9 ; 2136.8,3728.2 2146.7,3728.2 ; 2137,4027.3 2207.5,4027.3 ; 2137.1,3728.5 2146.7,3728.5 ; 2137.1,3728.8 2146.7,3728.8 ; 2137.3,4026.4 2225.8,4026.4 ; 2137.3,4027 2225.2,4027 ; 2137.4,3655.6 2165,3655.6 ; 2137.4,3729.1 2147,3729.1 ; 2137.4,3729.4 2147,3729.4 ; 2137.4,3729.7 2147.3,3729.7 ; 2137.4,3776.5 2148.2,3776.5 ; 2137.4,3780.4 2149.1,3780.4 ; 2137.4,3788.5 2143.1,3788.5 ; 2137.6,4026.7 2225.5,4026.7 ; 2137.6,4071.4 2138.5,4071.4 ; 2137.7,3730 2147.3,3730 ; 2137.7,3730.3 2147.6,3730.3 ; 2137.7,3779.8 2151.5,3779.8 ; 2138,3730.6 2147.6,3730.6 ; 2138,3730.9 2147.9,3730.9 ; 2138,3772.6 2151.5,3772.6 ; 2138,3780.1 2150.3,3780.1 ; 2138.3,3731.2 2152.1,3731.2 ; 2138.3,3731.5 2152.1,3731.5 ; 2138.6,3731.8 2152.4,3731.8 ; 2138.6,3732.1 2152.4,3732.1 ; 2138.6,3732.4 2152.4,3732.4 ; 2138.9,3732.7 2152.4,3732.7 ; 2138.9,3733 2152.4,3733 ; 2138.9,3788.2 2143.1,3788.2 ; 2139.2,3733.3 2152.4,3733.3 ; 2139.2,3733.6 2152.4,3733.6 ; 2139.5,3733.9 2152.4,3733.9 ; 2139.5,3734.2 2152.7,3734.2 ; 2139.5,3772.3 2151.2,3772.3 ; 2139.5,3776.2 2149.4,3776.2 ; 2139.8,3734.5 2154.8,3734.5 ; 2139.8,3734.8 2159,3734.8 ; 2140.1,3735.1 2201.3,3735.1 ; 2140.1,3735.4 2201.3,3735.4 ; 2140.1,3782.8 2143.4,3782.8 ; 2140.1,3783.1 2143.4,3783.1 ; 2140.1,3786.7 2143.4,3786.7 ; 2140.1,3787 2143.4,3787 ; 2140.1,3787.3 2143.1,3787.3 ; 2140.1,3787.6 2143.1,3787.6 ; 2140.1,3787.9 2143.1,3787.9 ; 2140.4,3735.7 2201.3,3735.7 ; 2140.4,3736 2201.3,3736 ; 2140.4,3783.4 2143.4,3783.4 ; 2140.4,3783.7 2143.4,3783.7 ; 2140.4,3784 2143.4,3784 ; 2140.4,3784.3 2143.4,3784.3 ; 2140.4,3784.6 2143.4,3784.6 ; 2140.4,3784.9 2143.4,3784.9 ; 2140.4,3785.2 2143.4,3785.2 ; 2140.4,3785.5 2143.4,3785.5 ; 2140.4,3785.8 2143.4,3785.8 ; 2140.4,3786.1 2143.4,3786.1 ; 2140.4,3786.4 2143.4,3786.4 ; 2140.7,3736.3 2201.3,3736.3 ; 2140.7,3736.6 2201.3,3736.6 ; 2141,3665.5 2155.1,3665.5 ; 2141,3736.9 2201.3,3736.9 ; 2141,3737.2 2201.3,3737.2 ; 2141.3,3737.5 2201.6,3737.5 ; 2141.3,3772 2151.8,3772 ; 2141.6,3655.3 2165,3655.3 ; 2141.6,3737.8 2201.6,3737.8 ; 2141.6,3738.1 2201.6,3738.1 ; 2141.6,3775.9 2150.9,3775.9 ; 2141.9,3738.4 2201.6,3738.4 ; 2141.9,3738.7 2201.6,3738.7 ; 2142.2,3739 2201.6,3739 ; 2142.2,3739.3 2201.6,3739.3 ; 2142.5,3739.6 2201.6,3739.6 ; 2142.8,3739.9 2201.6,3739.9 ; 2142.8,3740.2 2201.6,3740.2 ; 2142.8,3771.7 2153.6,3771.7 ; 2143.1,3740.5 2201.6,3740.5 ; 2143.4,3740.8 2145.2,3740.8 ; 2143.4,3741.1 2145.2,3741.1 ; 2143.4,3775.6 2173.1,3775.6 ; 2143.7,3741.4 2145.2,3741.4 ; 2143.7,3741.7 2145.5,3741.7 ; 2143.9,3990.4 2220.7,3990.4 ; 2144,3742 2145.5,3742 ; 2144.2,4034.8 2163.1,4034.8 ; 2144.3,3742.3 2145.8,3742.3 ; 2144.3,3742.6 2146.1,3742.6 ; 2144.3,3771.4 2155.7,3771.4 ; 2144.6,3742.9 2146.4,3742.9 ; 2144.9,3743.2 2146.7,3743.2 ; 2144.9,3793.9 2150.6,3793.9 ; 2145.2,3743.5 2147,3743.5 ; 2145.2,3743.8 2152.4,3743.8 ; 2145.2,3775.3 2174.9,3775.3 ; 2145.2,3793.6 2152.1,3793.6 ; 2145.5,3637.9 2162.6,3637.9 ; 2145.5,3744.1 2152.7,3744.1 ; 2145.5,3781.9 2147,3781.9 ; 2145.5,3782.2 2147,3782.2 ; 2145.5,3782.5 2146.7,3782.5 ; 2145.5,3782.8 2146.7,3782.8 ; 2145.5,3783.1 2146.7,3783.1 ; 2145.5,3783.4 2146.7,3783.4 ; 2145.5,3783.7 2146.7,3783.7 ; 2145.5,3784 2146.7,3784 ; 2145.5,3784.3 2146.7,3784.3 ; 2145.5,3789.4 2161.1,3789.4 ; 2145.5,3789.7 2161.1,3789.7 ; 2145.5,3790 2161.1,3790 ; 2145.5,3790.3 2161.4,3790.3 ; 2145.5,3790.6 2167.1,3790.6 ; 2145.5,3790.9 2165.9,3790.9 ; 2145.5,3791.2 2164.4,3791.2 ; 2145.5,3791.5 2162.9,3791.5 ; 2145.5,3791.8 2161.4,3791.8 ; 2145.5,3792.1 2159.9,3792.1 ; 2145.5,3792.4 2158.4,3792.4 ; 2145.5,3792.7 2156.9,3792.7 ; 2145.5,3793 2155.1,3793 ; 2145.5,3793.3 2153.6,3793.3 ; 2145.8,3655 2164.7,3655 ; 2145.8,3744.4 2152.7,3744.4 ; 2145.8,3784.6 2146.7,3784.6 ; 2145.8,3784.9 2146.7,3784.9 ; 2145.8,3785.2 2146.7,3785.2 ; 2145.8,3785.5 2146.7,3785.5 ; 2145.8,3785.8 2146.7,3785.8 ; 2145.8,3786.1 2147,3786.1 ; 2145.8,3786.4 2161.1,3786.4 ; 2145.8,3786.7 2161.1,3786.7 ; 2145.8,3787 2161.1,3787 ; 2145.8,3787.3 2161.1,3787.3 ; 2145.8,3787.6 2161.1,3787.6 ; 2145.8,3787.9 2161.1,3787.9 ; 2145.8,3788.2 2161.1,3788.2 ; 2145.8,3788.5 2161.1,3788.5 ; 2145.8,3788.8 2161.1,3788.8 ; 2145.8,3789.1 2161.1,3789.1 ; 2146.1,3744.7 2152.7,3744.7 ; 2146.1,3771.1 2157.5,3771.1